# Allegro board BeagleBoard-X15_RevA2.brd (continued)
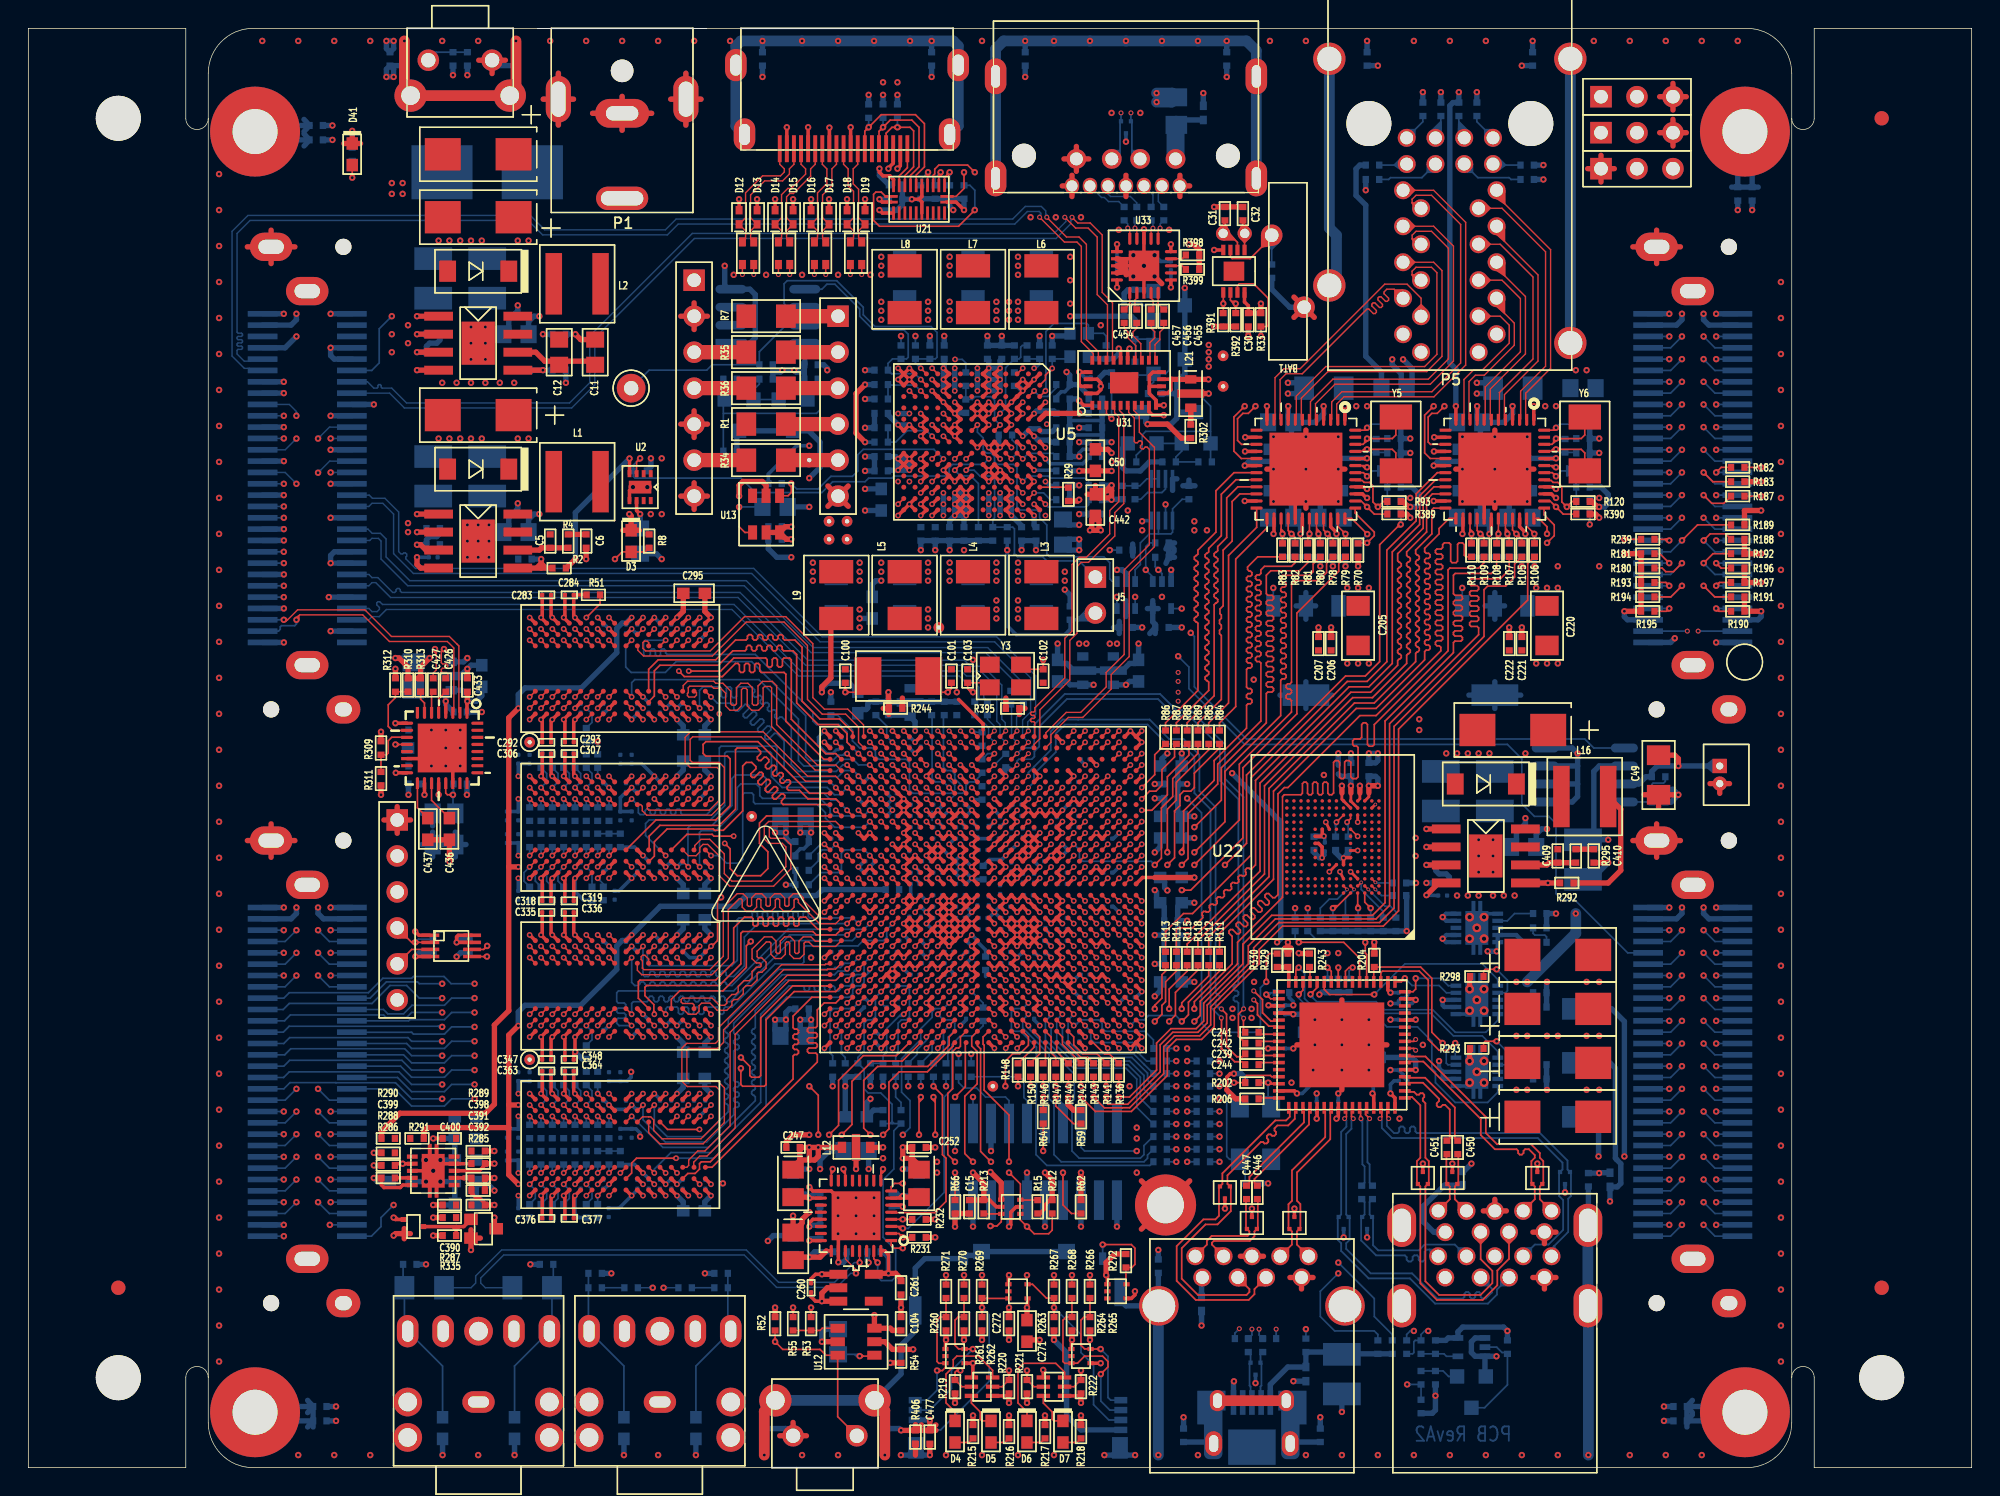
[diagram p0: board, top side]
## Nets (continued)
DDR1_DQS_ECC: R274.1 U11.V27(DDR1_DQS_ECC)
DDR1_DQSN0: U11.AG25(DDR1_DQSN0) U23.G3(LDQS#)
DDR1_DQSN1: U11.AE28(DDR1_DQSN1) U23.B7(UDQS#)
DDR1_DQSN2: U11.AD28(DDR1_DQSN2) U24.G3(LDQS#)
DDR1_DQSN3: U11.Y27(DDR1_DQSN3) U24.B7(UDQS#)
DDR1_DQSN_ECC: R273.2 U11.V28(DDR1_DQSN_ECC)
DDR1_ODT0: R360.1 U11.AE20(DDR1_ODT0) U23.K1(ODT) U24.K1(ODT)
DDR1_RASN: R372.1 U11.AF20(DDR1_RASN) U23.J3(RAS#) U24.J3(RAS#)
DDR1_RST: TP20.1 U11.AG21(DDR1_RST) U23.T2(RSTN) U24.T2(RSTN)
DDR1_WEN: R374.1 U11.AH21(DDR1_WEN) U23.L3(WE#) U24.L3(WE#)
DDR2_A0: R355.1 U11.R25(DDR2_A0) U25.N3(A0) U26.N3(A0)
DDR2_A1: R356.1 U11.R26(DDR2_A1) U25.P7(A1) U26.P7(A1)
DDR2_A2: R346.1 U11.R28(DDR2_A2) U25.P3(A2) U26.P3(A2)
DDR2_A3: R344.1 U11.R27(DDR2_A3) U25.N2(A3) U26.N2(A3)
DDR2_A4: R347.1 U11.P23(DDR2_A4) U25.P8(A4) U26.P8(A4)
DDR2_A5: R345.1 U11.P22(DDR2_A5) U25.P2(A5) U26.P2(A5)
DDR2_A6: R338.1 U11.P25(DDR2_A6) U25.R8(A6) U26.R8(A6)
DDR2_A7: R358.1 U11.N20(DDR2_A7) U25.R2(A7) U26.R2(A7)
DDR2_A8: R359.1 U11.P27(DDR2_A8) U25.T8(A8) U26.T8(A8)
DDR2_A9: R336.1 U11.N27(DDR2_A9) U25.R3(A9) U26.R3(A9)
DDR2_A10: R340.1 U11.N23(DDR2_A10) U25.L7(A10) U26.L7(A10)
DDR2_A11: R337.1 U11.P26(DDR2_A11) U25.R7(A11) U26.R7(A11)
DDR2_A12: R354.1 U11.N28(DDR2_A12) U25.N7(A12) U26.N7(A12)
DDR2_A13: R357.1 U11.T22(DDR2_A13) U25.T3(A13) U26.T3(A13)
DDR2_A14: R339.1 U11.R22(DDR2_A14) U25.T7(A14) U26.T7(A14)
DDR2_A15: R342.1 U11.U22(DDR2_A15) U25.M7(NC.M7/A15) U26.M7(NC.M7/A15)
DDR2_BA0: R350.1 U11.U23(DDR2_BA0) U25.M2(BA0) U26.M2(BA0)
DDR2_BA1: R353.1 U11.U27(DDR2_BA1) U25.N8(BA1) U26.N8(BA1)
DDR2_BA2: R352.1 U11.U26(DDR2_BA2) U25.M3(BA2) U26.M3(BA2)
DDR2_CASN: R349.1 U11.U28(DDR2_CASN) U25.K3(CAS#) U26.K3(CAS#)
DDR2_CKE: R334.1 R348.1 U11.U24(DDR2_CKE) U25.K9(CKE) U26.K9(CKE)
DDR2_CLK0: R281.1 U11.T28(DDR2_CK) U25.J7(CK) U26.J7(CK)
DDR2_CLK0N: R280.1 U11.T27(DDR2_NCK) U25.K7(CK#) U26.K7(CK#)
DDR2_CLK_TRM: C334.2 R280.2 R281.2
DDR2_CSN0: R351.1 U11.P24(DDR2_CSN0) U25.L2(CS#) U26.L2(CS#)
DDR2_D0: U11.E26(DDR2_D0) U25.D7(DQ8)
DDR2_D1: U11.G25(DDR2_D1) U25.C2(DQ11)
DDR2_D2: U11.F25(DDR2_D2) U25.A3(DQ15)
DDR2_D3: U11.F24(DDR2_D3) U25.B8(DQ14)
DDR2_D4: U11.F26(DDR2_D4) U25.A2(DQ13)
DDR2_D5: U11.F27(DDR2_D5) U25.C3(DQ9)
DDR2_D6: U11.E27(DDR2_D6) U25.A7(DQ12)
DDR2_D7: U11.E28(DDR2_D7) U25.C8(DQ10)
DDR2_D8: U11.H23(DDR2_D8) U25.E3(DQ0)
DDR2_D9: U11.H25(DDR2_D9) U25.H3(DQ4)
DDR2_D10: U11.H24(DDR2_D10) U25.H8(DQ5)
DDR2_D11: U11.H26(DDR2_D11) U25.G2(DQ6)
DDR2_D12: U11.G26(DDR2_D12) U25.H7(DQ7)
DDR2_D13: U11.J25(DDR2_D13) U25.F2(DQ2)
DDR2_D14: U11.J26(DDR2_D14) U25.F8(DQ3)
DDR2_D15: U11.J24(DDR2_D15) U25.F7(DQ1)
DDR2_D16: U11.L22(DDR2_D16) U26.D7(DQ8)
DDR2_D17: U11.K20(DDR2_D17) U26.C8(DQ10)
DDR2_D18: U11.K21(DDR2_D18) U26.A2(DQ13)
DDR2_D19: U11.L23(DDR2_D19) U26.C2(DQ11)
DDR2_D20: U11.L24(DDR2_D20) U26.C3(DQ9)
DDR2_D21: U11.J23(DDR2_D21) U26.B8(DQ14)
DDR2_D22: U11.K22(DDR2_D22) U26.A3(DQ15)
DDR2_D23: U11.J20(DDR2_D23) U26.A7(DQ12)
DDR2_D24: U11.L27(DDR2_D24) U26.E3(DQ0)
DDR2_D25: U11.L26(DDR2_D25) U26.H8(DQ5)
DDR2_D26: U11.L25(DDR2_D26) U26.H7(DQ7)
DDR2_D27: U11.L28(DDR2_D27) U26.F7(DQ1)
DDR2_D28: U11.M23(DDR2_D28) U26.F8(DQ3)
DDR2_D29: U11.M24(DDR2_D29) U26.H3(DQ4)
DDR2_D30: U11.M25(DDR2_D30) U26.F2(DQ2)
DDR2_D31: U11.M26(DDR2_D31) U26.G2(DQ6)
DDR2_DQM0: U11.F28(DDR2_DQM0) U25.D3(UDM)
DDR2_DQM1: U11.G24(DDR2_DQM1) U25.E7(LDM)
DDR2_DQM2: U11.K23(DDR2_DQM2) U26.D3(UDM)
DDR2_DQM3: U11.M22(DDR2_DQM3) U26.E7(LDM)
DDR2_DQS0: U11.G28(DDR2_DQS0) U25.C7(UDQS)
DDR2_DQS1: U11.H27(DDR2_DQS1) U25.F3(LDQS)
DDR2_DQS2: U11.K27(DDR2_DQS2) U26.C7(UDQS)
DDR2_DQS3: U11.M28(DDR2_DQS3) U26.F3(LDQS)
DDR2_DQSN0: U11.G27(DDR2_DQSN0) U25.B7(UDQS#)
DDR2_DQSN1: U11.H28(DDR2_DQSN1) U25.G3(LDQS#)
DDR2_DQSN2: U11.K28(DDR2_DQSN2) U26.B7(UDQS#)
DDR2_DQSN3: U11.M27(DDR2_DQSN3) U26.G3(LDQS#)
DDR2_ODT0: R341.1 U11.R23(DDR2_ODT0) U25.K1(ODT) U26.K1(ODT)
DDR2_RASN: R279.1 U11.T23(DDR2_RASN) U25.J3(RAS#) U26.J3(RAS#)
DDR2_RST: TP21.1 U11.R24(DDR2_RST) U25.T2(RSTN) U26.T2(RSTN)
DDR2_WEN: R343.1 U11.U25(DDR2_WEN) U25.L3(WE#) U26.L3(WE#)
DDR_REFIN: C390.1 R285.2 R287.2 U27.1(REFIN)
DDR_VREF_OFFN: Q5.1(GATE) R288.1 U11.A22(GPIO7_11) U27.7(EN)
DDR_VREFSTL1: C273.1 C275.1 C276.1 C277.1 C278.1 R290.2 U11.Y18(DDR1_VREF0) U23.H1(VREFDQ) U23.M8(VREFCA) U24.H1(VREFDQ) U24.M8(VREFCA)
DDR_VREFSTL2: C274.2 C279.1 C280.1 C281.1 C282.1 R291.2 U11.N22(DDR2_VREF0) U25.H1(VREFDQ) U25.M8(VREFCA) U26.H1(VREFDQ) U26.M8(VREFCA)
DMA_EVT1: P16.35 U11.P7(DMA_EVT1)
DMA_EVT3: P16.11 U11.N6(DMA_EVT3)
DMA_EVT4: P16.17 U11.M4(DMA_EVT4)
E0_AVDDL: C210.1 C211.1 FB2.2 U14.4(AVDDL2) U14.9(AVDDL1)
E0_DVDDL: C212.1 C213.2 FB4.2 U14.14(DVDDL1) U14.18(DVDDL5) U14.23(DVDDL4) U14.26(DVDDL6) U14.30(DVDDL2) U14.39(DVDDL3)
E0_GRN: P5.D5 R90.1 U14.17(LED1 / PME_N1)
E0_ISET: R92.2 U14.48(ISET)
E0_PLL: C208.1 C209.2 FB1.2 U14.44(AVDDL_PLL)
E0_RST: C219.1 R95.2 R96.2 R316.2 U14.42(RESET_N)
E0_XI: C217.2 R94.2 U14.46(XI) Y5.2(NC0)
E0_XO: C218.2 R94.1 U14.45(XO) Y5.1
E0_YEL: P5.D7 R91.1 U14.15(LED2)
E1_AVDDL: C225.2 C226.1 FB6.2 U15.4(AVDDL2) U15.9(AVDDL1)
E1_DVDDL: C227.1 C228.2 FB8.2 U15.14(DVDDL1) U15.18(DVDDL5) U15.23(DVDDL4) U15.26(DVDDL6) U15.30(DVDDL2) U15.39(DVDDL3)
E1_GRN: P5.D1 R116.1 U15.17(LED1 / PME_N1)
E1_ISET: R119.2 U15.48(ISET)
E1_PLL: C223.1 C224.2 FB5.2 U15.44(AVDDL_PLL)
E1_RSTN: C234.1 R122.2 R123.2 R317.2 U15.42(RESET_N)
E1_XI: C232.2 R121.2 U15.46(XI) Y6.2(NC0)
E1_XO: C233.2 R121.1 U15.45(XO) Y6.1
E1_YEL: P5.D3 R117.1 U15.15(LED2)
EEWP: R37.1 TP4.1(TP) U8.7(WP)
EHRPWM2_TRIPZONE_INPUT: P18.6 U11.F6(EHRPWM2_TRIPZONE_INPUT)
EHRPWM2A: P17.5 U11.AC5(EHRPWM2A)
EHRPWM2B: P18.44 U11.D3(EHRPWM2B)
EMAC(0)_RXD0: R80.1 U11.W2(EMAC(0)_RXD0)
EMAC(0)_RXD1: R81.1 U11.Y2(EMAC(0)_RXD1)
EMAC(0)_RXD2: R82.1 U11.V3(EMAC(0)_RXD2)
EMAC(0)_RXD3: R83.1 U11.V4(EMAC(0)_RXD3)
EMAC(1)_RXD0: R107.1 U11.A4(EMAC(1)_RXD0)
EMAC(1)_RXD1: R108.1 U11.B5(EMAC(1)_RXD1)
EMAC(1)_RXD2: R109.1 U11.B4(EMAC(1)_RXD2)
EMAC(1)_RXD3: R110.1 U11.B3(EMAC(1)_RXD3)
EMAC[0]_RXC: R79.1 U11.U5(EMAC(0)_RXC)
EMAC[0]_RXCTL: R78.1 U11.V5(EMAC(0)_RXCTL)
EMAC[0]_TXC: R85.1 U11.W9(EMAC(0)_TXC)
EMAC[0]_TXCTL: R84.1 U11.V9(EMAC(0)_TXCTL)
EMAC[0]_TXD0: R86.1 U11.U6(EMAC(0)_TXD0)
EMAC[0]_TXD1: R87.1 U11.V6(EMAC(0)_TXD1)
EMAC[0]_TXD2: R88.1 U11.U7(EMAC(0)_TXD2)
EMAC[0]_TXD3: R89.1 U11.V7(EMAC(0)_TXD3)
EMAC[1]_RXC: R106.1 U11.C5(EMAC(1)_RXC)
EMAC[1]_RXCTL: R105.1 U11.A3(EMAC(1)_RXCTL)
EMAC[1]_TXC: R112.1 U11.D5(EMAC(1)_TXC)
EMAC[1]_TXCTL: R111.1 U11.C2(EMAC(1)_TXCTL)
EMAC[1]_TXD0: R113.1 U11.D6(EMAC(1)_TXD0)
EMAC[1]_TXD1: R114.1 U11.B2(EMAC(1)_TXD1)
EMAC[1]_TXD2: R115.1 U11.C4(EMAC(1)_TXD2)
EMAC[1]_TXD3: R118.1 U11.C3(EMAC(1)_TXD3)
EMMC_VDD1.1: C270.2 U22.C2(VCCI)
EMU0: P4.13(EMU0) R59.2 U11.G21(EMU0)
EMU1: P4.14(EMU1) R62.2 U11.D24(EMU1)
EMU_RSTN: P4.15(SRST) R44.2 U10.2(A)
ENET0_INTN: R389.2 U11.D26(GPIO7_27) U14.38(INT_N / PME_N2)
ENET1_INTN: R390.2 U11.D28(GPIO7_26) U15.38(INT_N / PME_N2)
ENET_PORZ: R39.2 R40.2 R96.1 R123.1
ESATA_R+: C420.1 P6.10(B+)
ESATA_R-: C418.1 P6.9(B-)
ESATA_T+: C416.2 P6.6(A+)
ESATA_T-: C417.1 P6.7(A-)
ETH0_1.2V: C206.1 C207.1 FB1.1 FB2.1 FB4.1 Q1.2(D1) Q1.4(D2)
ETH0_3V3: C205.1 C214.1 FB3.2 Q1.3(S) R70.1 R71.1 R74.1 R75.1 R76.1 R77.1 R90.2 R93.2 R95.1 U14.1(AVDDH1) U14.12(AVDDH2) U14.16(DVDDH5) U14.34(DVDDH3) U14.40(DVDDH4)
ETH0_LDO: Q1.1(G) U14.43(LDO_O)
ETH1_1.2V: C221.1 C222.2 FB5.1 FB6.1 FB8.1 Q2.2(D1) Q2.4(D2)
ETH1_3V3: C220.1 C229.1 FB7.2 Q2.3(S) R99.1 R101.1 R102.1 R103.1 R104.1 R117.2 R120.2 R122.1 U15.1(AVDDH1) U15.12(AVDDH2) U15.16(DVDDH5) U15.34(DVDDH3) U15.40(DVDDH4)
ETH1_LDO: Q2.1(G) U15.43(LDO_O)
ETH_RESETN: R316.1 R317.1 U11.U3(GPIO3_17)
EXP_SATA_RXN: P19.7 U31.22(B1-)
EXP_SATA_RXP: P19.8 U31.21(B1+)
EXP_SATA_TXN: P19.36 U31.23(B0-)
EXP_SATA_TXP: P19.35 U31.24(B0+)
EXT_WAKE: P18.35 R33.2 R49.1 U6.7(MFP) U11.AC16(WAKEUP3)
GPIO2_2: P16.46 U11.P4(GPIO2_2)
GPIO2_3: P16.7 U11.R3(GPIO2_3)
GPIO2_4: P16.40 U11.T2(GPIO2_4)
GPIO2_5: P16.38 U11.U2(GPIO2_5)
GPIO2_6: P16.39 U11.U1(GPIO2_6)
GPIO2_8: P16.8 U11.R2(GPIO2_8)
GPIO2_17: P16.48 U11.P3(GPIO2_17)
GPIO2_19: P16.41 U11.T1(GPIO2_19)
GPIO2_20: P16.49 U11.P2(GPIO2_20)
GPIO2_23: P16.21 U11.N1(GPIO2_23)
GPIO2_24: P16.47 U11.M5(GPIO2_24)
GPIO2_25: P16.19 U11.M3(GPIO2_25)
GPIO2_28: P16.20 U11.N2(GPIO2_28)
GPIO2_31: P19.55 U11.AH7(GPIO2_31)
GPIO3_6: P19.56 U11.AG7(GPIO3_6)
GPIO3_7: P19.52 U11.AH6(GPIO3_7)
GPIO3_8: P19.45 U11.AH3(GPIO3_8)
GPIO3_9: P19.48 U11.AH5(GPIO3_9)
GPIO3_10: P19.53 U11.AG6(GPIO3_10)
GPIO3_11: P19.14 U11.AH4(GPIO3_11)
GPIO3_12: P19.15 U11.AG4(GPIO3_12)
GPIO3_14: P19.46 U11.AG3(GPIO3_14)
GPIO3_15: P19.49 U11.AG5(GPIO3_15)
GPIO3_16: P19.42 U11.AF2(GPIO3_16)
GPIO3_18: P19.43 U11.AF3(GPIO3_18)
GPIO3_20: P19.11 U11.AF1(GPIO3_20)
GPIO3_23: P19.39 U11.AE1(GPIO3_23)
GPIO3_24: P19.12 U11.AE2(GPIO3_24)
GPIO3_26: P19.40 U11.AD2(GPIO3_26)
GPIO3_28: P18.11 U11.E1(GPIO3_28)
GPIO3_29: P18.9 U11.G2(GPIO3_29)
GPIO3_30: P18.36 U11.H7(GPIO3_30)
GPIO4_7: P18.43 U11.C1(GPIO4_7)
GPIO4_8: P18.39 U11.E4(GPIO4_8)
GPIO4_9: P18.38 U11.F5(GPIO4_9)
GPIO4_10: P18.7 U11.E6(GPIO4_10)
GPIO4_17: P16.3 U11.A12(GPIO4_17)
GPIO5_4: P17.47 U11.G13(GPIO5_4)
GPIO5_5: P17.17 U11.J11(GPIO5_5)
GPIO5_6: P17.45 U11.E12(GPIO5_6)
GPIO5_7: P17.15 U11.F13(GPIO5_7)
GPIO5_8: P17.55 U11.C12(GPIO5_8)
GPIO5_9: P17.25 U11.D12(GPIO5_9)
GPIO5_10: P16.34 U11.B12(GPIO5_10)
GPIO5_11: P16.4 U11.A11(GPIO5_11)
GPIO5_12: P16.33 U11.B13(GPIO5_12)
GPIO5_18: P18.59 U11.V2(UART3_RXD)
GPIO5_19: P18.29 U11.Y1(UART3_TXD)
GPIO6_11: P17.3 U11.AB4(GPIO6_11)
GPIO6_18: P17.58 U11.E17(GPIO6_18)
GPIO6_19: P17.28 U11.B26(GPIO6_19)
GPIO7_7: P17.51 U11.A25(GPIO7_7)
GRSTZ: C246.1 U17.50(GRSTZ)
HDMI1_DDC_SCL: R246.2 U11.C25(HDMI1_DDC_SCL) U21.1(SCL_A)
HDMI1_DDC_SDA: R245.2 U11.F17(HDMI1_DDC_SDA) U21.2(SDA_A)
HDMI_5VOUT: C265.1 P11.18(+5V) U21.12(5V_OUT)
HDMI_CEC_A: U11.B20(HDMI_CEC) U21.24(CEC_A)
HDMI_CEC_B: P11.13(CE REMOTE) R237.2 U21.6(CEC_B)
HDMI_CT_HPD: R248.2 U11.A24(GPIO7_10) U21.11(CT_HPD)
HDMI_HPD_A: U11.B21(HDMI_HPD) U21.3(HPD_A)
HDMI_HPD_B: P11.19(HP DET) U21.9(HPD_B)
HDMI_LS_OE: R247.2 U11.Y9(GPIO6_28) U21.4(LS_OE)
HDMI_SCL_B: P11.15(DDC CLK) R241.2 U21.7(SCL_B)
HDMI_SDA_B: P11.16(DDC DATA) R242.1 U21.8(SDA_B)
HDMI_TX0+: D16.1(I) FL3.3 P11.7(D0+)
HDMI_TX0-: D17.1(I) FL3.2 P11.9(D0-)
HDMI_TX1+: D14.1(I) FL2.3 P11.4(D1+)
HDMI_TX1-: D15.1(I) FL2.2 P11.6(D1-)
HDMI_TX2+: D12.1(I) FL1.3 P11.1(D2+)
HDMI_TX2-: D13.1(I) FL1.2 P11.3(D2-)
HDMI_TXC+: D18.1(I) FL4.3 P11.10(CK+)
HDMI_TXC-: D19.1(I) FL4.2 P11.12(CK-)
HUB_XI: C235.1 R202.1 U17.62(XI) Y7.1
HUB_XO: C240.1 R202.2 U17.61(XO) Y7.2
I2C1_SCL: R17.2 R19.1 R212.2 U4.1(SCL) U5.L1(I2C1_SCL_SCK) U8.6(SCL) U11.C20(I2C1_SCL) U18.8(SCL)
I2C1_SDA: R16.2 R18.1 R213.2 U4.6(SDA) U5.L2(I2C1_SDA_SDI) U8.5(SDA) U11.C21(I2C1_SDA) U18.9(SDA)
I2C3_SCL: R392.2 R393.1 U6.6(SCL) U11.D14(I2C3_SCL)
I2C3_SDA: R391.2 R394.1 U6.5(SDA) U11.C14(I2C3_SDA)
I2C4_SCL: P17.46 U11.J14(I2C4_SCL)
I2C4_SDA: P17.53 U11.B14(I2C4_SDA)
I2C5_SCL: P18.4 U11.F12(I2C5_SCL)
I2C5_SDA: P18.3 U11.G12(I2C5_SDA)
J3-D6: P5.D6 R69.1
J3-D8: P5.D8 R68.1
J3_D2: P5.D2 R98.1
J3_D4: P5.D4 R97.1
LDO_VRTC: C19.2 C110.1 J5.2 R20.2 R23.1 R56.1 R214.2 U5.A8(LDOVRTC_OUT) U11.AB13(VDDA_RTC)
LEDAA: D4.2(A) R215.2
LEDAC: D4.1(C) Q3.6(3)
LEDBA: D5.2(A) R216.2
LEDBC: D5.1(C) Q3.3
LEDCA: D6.2(A) R217.2
LEDCC: D6.1(C) Q4.6(3)
LEDDA: D7.2(A) R218.2
LEDDC: D7.1(C) Q4.3
LEFT_IN: C255.2 D10.2 P9.2 R235.1
LEFT_OUT: C250.2 D8.2 P8.2 R226.1
MCASP2_ACLKR: P17.44 U11.E15(MCASP2_ACLKR)
MCASP2_AXR0: P17.54 U11.B15(MCASP2_AXR0)
MCASP2_AXR1: P17.23 U11.A15(MCASP2_AXR1)
MCASP2_AXR2: P17.18 U11.C15(MCASP2_AXR2)
MCASP2_AXR3: P17.22 U11.A16(MCASP2_AXR3)
MCASP2_AXR4: P17.16 U11.D15(MCASP2_AXR4)
MCASP2_AXR5: P17.24 U11.B16(MCASP2_AXR5)
MCASP2_AXR6: P17.26 U11.B17(MCASP2_AXR6)
MCASP2_AXR7: P17.56 U11.A17(MCASP2_AXR7)
MCASP2_CLKX: P17.21 U11.A19(MCASP2_ACLKX)
MCASP2_FSR: P17.57 U11.A20(MCASP2_FSR)
MCASP2_FSX: P17.52 U11.A18(MCASP2_FSX)
MCASP7_AXR0: P16.5 U11.E14(MCASP7_AXR0)
MCASP7_AXR1: P17.49 U11.A13(MCASP7_AXR1)
MCASP7_CLKX: P17.48 U11.G14(MCASP7_CLKX)
MCASP7_FSX: P17.19 U11.F14(MCASP7_FSX)
MDIO_CLK: R71.2 U11.V1(MDIO_MCLK) U14.36(MDC) U15.36(MDC)
MDIO_DATA: R70.2 U11.U4(MDIO_DATA) U14.37(MDIO) U15.37(MDIO)
MMC1_CLK: R269.1 U11.W6(MMC1_CLK)
MMC1_CMD: R267.1 U11.Y6(MMC1_CMD)
MMC1_DAT0: R270.1 U11.AA6(MMC1_DAT0)
MMC1_DAT1: R271.1 U11.Y4(MMC1_DAT1)
MMC1_DAT2: R266.1 U11.AA5(MMC1_DAT2)
MMC1_DAT3: R268.1 U11.Y3(MMC1_DAT3)
MMC1_SD_CD: D23.5(IO2) P12.10(CD) R272.2 U11.W7(MMC1_SDCD)
MMC2_3V3: C266.1 C267.2 R249.1 R250.2 R251.2 R252.2 R253.2 R254.2 R255.2 R256.2 R257.2 R258.2 R259.2 U22.E6(VCC3) U22.F5(VCC2) U22.J10(VCC0) U22.K9(VCC1) U22.P3(VCCQ1)
MMC2_CLK: R250.1 U11.J7(MMC2_CLK) U22.M6(CLK)
MMC2_CMD: R251.1 U11.H6(MMC2_CMD) U22.M5(CMD)
MMC2_DAT0: R252.1 U11.J4(MMC2_DAT0) U22.A3(DAT0)
MMC2_DAT1: R253.1 U11.J6(MMC2_DAT1) U22.A4(DAT1)
MMC2_DAT2: R254.1 U11.H4(MMC2_DAT2) U22.A5(DAT2)
MMC2_DAT3: R255.1 U11.H5(MMC2_DAT3) U22.B2(DAT3)
MMC2_DAT4: R256.1 U11.K7(MMC2_DAT4) U22.B3(DAT4)
MMC2_DAT5: R257.1 U11.M7(MMC2_DAT5) U22.B4(DAT5)
MMC2_DAT6: R258.1 U11.J5(MMC2_DAT6) U22.B5(DAT6)
MMC2_DAT7: R259.1 U11.K6(MMC2_DAT7) U22.B6(DAT7)
MMC3_CLK: P17.34 U11.AD4(MMC3_CLK)
MMC3_CMD: P17.4 U11.AC4(MMC3_CMD)
MMC3_DAT0: P17.7 U11.AC7(MMC3_DAT0)
MMC3_DAT1: P17.36 U11.AC6(MMC3_DAT1)
MMC3_DAT2: P17.8 U11.AC9(MMC3_DAT2)
MMC3_DAT3: P17.33 U11.AC3(MMC3_DAT3)
MMC3_DAT4: P17.37 U11.AC8(MMC3_DAT4)
MMC3_DAT5: P17.35 U11.AD6(MMC3_DAT5)
MMC3_DAT6: P17.38 U11.AB8(MMC3_DAT6)
MMC3_DAT7: P17.6 U11.AB5(MMC3_DAT7)
OC0: U17.46(OVERCUR1Z) U29.10(F\A\U\L\T\1\)
OC1: U17.47(OVERCUR2Z) U29.6(F\A\U\L\T\2\)
OC2: U17.44(OVERCUR3Z) U30.10(F\A\U\L\T\1\)
OC3: U17.43(OVERCUR0Z) U30.6(F\A\U\L\T\2\)
OSC0_XI: C101.1 U11.AE15(XI_OSC0) Y2.1
OSC0_XO: C100.1 U11.AD15(X0_OSC0) Y2.2(NC0)
OSC1_XI: C103.1 U11.AC15(XI_OSC1) Y3.1
OSC1_XO: C102.1 U11.AC13(XO_OSC1) Y3.3
P0_TRD[0]N: P5.12 U14.3(TXRXM_A)
P0_TRD[0]P: P5.11 U14.2(TXRXP_A)
P0_TRD[1]N: P5.14 U14.6(TXRXM_B)
P0_TRD[1]P: P5.13 U14.5(TXRXP_B)
P0_TRD[2]N: P5.16 U14.8(TXRXM_C)
P0_TRD[2]P: P5.15 U14.7(TXRXP_C)
P0_TRD[3]N: P5.18 U14.11(TXRXM_D)
P0_TRD[3]P: P5.17 U14.10(TXRXP_D)
P1_TRD[0]N: P5.2 U15.3(TXRXM_A)
P1_TRD[0]P: P5.1 U15.2(TXRXP_A)
P1_TRD[1]N: P5.4 U15.6(TXRXM_B)
P1_TRD[1]P: P5.3 U15.5(TXRXP_B)
P1_TRD[2]N: P5.6 U15.8(TXRXM_C)
P1_TRD[2]P: P5.5 U15.7(TXRXP_C)
P1_TRD[3]N: P5.8 U15.11(TXRXM_D)
P1_TRD[3]P: P5.7 U15.10(TXRXP_D)
PCI_CONN_REFN: P19.58 U7.2(OUT1N)
PCI_CONN_REFP: P19.59 U7.3(OUT1P)
PCIE_TXN0: C423.1 U11.AG14(PCIE_TXN0)
PCIE_TXN1: C425.1 U11.AG12(PCIE_TXN1)
PCIE_TXP0: C422.1 U11.AH14(PCIE_TXP0)
PCIE_TXP1: C424.1 U11.AH12(PCIE_TXP1)
PMIC_BOOT0: R20.1 R21.1 U5.L3(BOOT0)
PMIC_BOOT1: R22.1 R214.1 U5.K7(BOOT1)
PMIC_GPIO_0: R421.1 U5.B12(GPIO_0)
PMIC_GPIO_3: R26.1 U5.H9(GPIO_3)
PMIC_GPIO_5: R27.1 U5.C10(GPIO_5/CLK32KGO)
PMIC_INT: R48.2 U5.K1(INT) U11.AD17(WAKEUP0)
PMIC_OFF: R45.2 R322.1 U11.Y11(ON_OFF)
PMIC_POWERGOOD: TP5.1 U5.J7(POWERGOOD)
PMIC_POWERHOLD: J5.1 R23.2 R28.2 U5.G9(GPIO_7/POWERHOLD)
PMIC_RESET_IN: R56.2 U5.K9(RESET_IN) U13.1(R\E\S\E\T)
PMIC_RESET_OUT: U5.G6(RESET_OUT) U9.1(A)
PMIC_SCE: R19.2 U5.M3(I2C2_SCL_SCE)
PMIC_SDO: R18.2 U5.H8(I2C2_SDA_SDO)
PMIC_VBUS_DET: R414.2 U5.C13(GPIO_1/VBUSDET)
PMIC_XTAL_IN: C452.1 U5.A3(OSC16MIN) Y9.3
PMIC_XTAL_OUT: C453.1 U5.A2(OSC16MOUT) Y9.1
POR_CT: C109.1 U12.4(CT)
PORZ: C95.2 C96.2 R39.1 R57.1 U9.4(Y) U11.AB17(RTC_PORZ) U11.F22(PORZ)
PR1_UART0_CTSN: P18.40 U11.G1(PR1_UART0_CTSN)
PR1_UART0_RTSN: P18.37 U11.G6(PR1_UART0_RTSN)
PR1_UART0_RXD: P18.41 U11.F2(PR1_UART0_RXD)
PR1_UART0_TXD: P18.10 U11.F3(PR1_UART0_TXD)
PS_3V3: C23.1 C26.2 C27.2 C33.1 C35.1 C37.1 C39.1 C41.1 C43.1 C45.1 C46.1 C48.1 C111.1 C442.1 P3.1 R7.2 R10.2 R13.1 R29.1 R30.1 R58.1 R335.1 R407.1 U2.1(VIN.1) U2.2(VIN.2) U5.C4(LDO9_IN) U5.C5(LDOLN_IN) U5.C7(VCC1) U5.D11(SMPS1_IN_1) U5.D12(SMPS1_IN_2) U5.D13(SMPS1_IN_3) U5.E1(SMPS7_IN_B1_1) U5.E2(SMPS7_IN_B1_2) U5.E3(SMPS7_IN_B1_3) U5.F1(SMPS4_IN_1) U5.F2(SMPS4_IN_2) U5.F3(SMPS4_IN_3) U5.G11(SMPS2_IN_1) U5.G12(SMPS2_IN_2) U5.G13(SMPS2_IN_3) U5.H11(SMPS3_IN_1) U5.H12(SMPS3_IN_2) U5.H13(SMPS3_IN_3) U5.J1(SMPS5_IN_1) U5.J2(SMPS5_IN_2) U5.J3(SMPS5_IN_3) U5.L12(LDO34_IN) U5.L13(LDO34_IN_1) U5.M6(SMPS6_IN) U5.M8(SMPS9_IN) U5.M9(SMPS8_IN) U5.N6(SMPS6_IN_1) U5.N8(SMPS9_IN_1) U5.N9(SMPS8_IN_1) U13.5(SENSE1) U13.6(VDD)
PS_3V3_COMP: C11.1 C12.1 U3.6(COMP)
PS_3V3_EN: R9.2 R11.1 U3.3(EN)
PS_3V3_SNS: R13.2 R14.2 U3.5(VSNS)
PS_3V3_SS: C13.1 U3.4(SS)
PS_3V3_TAP: C8.1 C9.1 L2.2 P2.2 R7.1
PUSB_RXN0: C242.1 U11.AF12(USB_RXN0)
PUSB_RXP0: C241.1 U11.AE12(USB_RXP0)
PUSB_TXN0: C244.1 U11.AC11(USB_TXN0)
PUSB_TXP0: C239.1 U11.AD11(USB_TXP0)
PWRON: C478.1 P18.5 R407.2 S1.2(AA) U5.G8(PWRON)
R_3V3LED: D3.2(A) R8.2
R_12VLED: D41.2(A) R240.2
R_EMAC[0]_RXC: R72.2 R79.2 U14.35(RX_CLK)
R_EMAC[0]_RXCTL: R73.2 R78.2 U14.33(RX_DV)
R_EMAC[0]_RXD0: R74.2 R80.2 U14.32(RXD0)
R_EMAC[0]_RXD1: R75.2 R81.2 U14.31(RXD1)
R_EMAC[0]_RXD2: R76.2 R82.2 U14.28(RXD2)
R_EMAC[0]_RXD3: R77.2 R83.2 U14.27(RXD3)
R_EMAC[0]_TXC: R85.2 U14.24(GTX_CLK)
R_EMAC[0]_TXCTL: R84.2 U14.25(TX_EN)
R_EMAC[0]_TXD0: R86.2 U14.19(TXD0)
R_EMAC[0]_TXD1: R87.2 U14.20(TXD1)
R_EMAC[0]_TXD2: R88.2 U14.21(TXD2)
R_EMAC[0]_TXD3: R89.2 U14.22(TXD3)
R_EMAC[1]_RXC: R100.2 R106.2 U15.35(RX_CLK)
R_EMAC[1]_RXCTL: R99.2 R105.2 U15.33(RX_DV)
R_EMAC[1]_RXD0: R101.2 R107.2 U15.32(RXD0)
R_EMAC[1]_RXD1: R102.2 R108.2 U15.31(RXD1)
R_EMAC[1]_RXD2: R103.2 R109.2 U15.28(RXD2)
R_EMAC[1]_RXD3: R104.2 R110.2 U15.27(RXD3)
R_EMAC[1]_TXC: R112.2 U15.24(GTX_CLK)
R_EMAC[1]_TXCTL: R111.2 U15.25(TX_EN)
R_EMAC[1]_TXD0: R113.2 U15.19(TXD0)
R_EMAC[1]_TXD1: R114.2 U15.20(TXD1)
R_EMAC[1]_TXD2: R115.2 U15.21(TXD2)
R_EMAC[1]_TXD3: R118.2 U15.22(TXD3)
RDRXN: C456.2 U33.4(TX2N)
RDRXP: C455.2 U33.5(TX2P)
RDTXN: C457.2 U33.2(RX1N)
RDTXP: C454.1 U33.1(RX1P)
RESETIN: P18.34 R52.2 S2.2(AA) U12.3(M\R\)
RHDMI_TX0+: FL3.4 U11.AH17(HDMI1_DATA0Y)
RHDMI_TX0-: FL3.1 U11.AG17(HDMI1_DATA0X)
RHDMI_TX1+: FL2.4 U11.AH18(HDMI1_DATA1Y)
RHDMI_TX1-: FL2.1 U11.AG18(HDMI1_DATA1X)
RHDMI_TX2+: FL1.4 U11.AH19(HDMI1_DATA2Y)
RHDMI_TX2-: FL1.1 U11.AG19(HDMI1_DATA2X)
RHDMI_TXC+: FL4.4 U11.AH16(HDMI1_CLOCKY)
RHDMI_TXC-: FL4.1 U11.AG16(HDMI1_CLOCKX)
RIGHT_IN: C256.2 D11.2 P9.3 R234.1
RIGHT_OUT: C251.2 D9.2 P8.3 R228.1
RSTOUTN: P18.33 R38.1 R40.1 R43.1 R318.1 U7.12(RSTN) U11.F23(RSTOUTN) U18.31(RESETN) U22.K5(R\S\T\) U34.2(2B)
RTC_ISO: R57.2 U11.AF14(RTC_ISO)
RTC_X1: C32.1 U6.1(X1) Y1.2
RTC_X2: C31.1 U6.2(X2) Y1.1
RTCK: P4.9(TCKRTN) R63.2
RTCKR: R63.1 U11.E18(RTCK)
RXN_MUXC: C456.1 U31.16(C1-)
RXP_MUXC: C455.1 U31.15(C1+)
SAT_RXN: U11.AH9(SATA1_RXN0) U31.6(A1-)
SAT_RXP: U11.AG9(SATA1_RXP0) U31.7(A1+)
SAT_TXN: U11.AG10(SATA1_TXN0) U31.5(A0-)
SAT_TXP: U11.AH10(SATA1_TXP0) U31.4(A0+)
SATA_SEL: P19.6 R303.2 U31.3(SEL)
SCL_HUB: R393.2 U17.38(SCL_SMBCLK)
SDA_HUB: R394.2 U17.37(SDA_SMBDAT)
SERDES_CLKN: C426.2 R308.1 U11.AH15(LJCB_CLKN)
SERDES_CLKP: C427.2 R308.2 U11.AG15(LJCB_CLKP)
SERDES_IN_REFN: C426.1 U7.5(OUT0N)
SERDES_IN_REFP: C427.1 U7.6(OUT0P)
SMPS6: C44.1 L8.2 P2.4 R36.1
SMPS_1_2: C34.1 C36.1 L3.2 L4.2 P2.6 R34.1
SMPS_4/5: C40.1 C42.1 L6.2 L7.2 P2.3 R35.1
SS_SUSPEND: R243.2 U17.45(HS_SUSPEND)
SW1: L3.1 U5.E11(SMPS1_SW_1) U5.E12(SMPS1_SW_2) U5.E13(SMPS1_SW_3)
SW2: L4.1 U5.F11(SMPS2_SW_1) U5.F12(SMPS2_SW_2) U5.F13(SMPS2_SW_3)
SW3: L5.1 U5.J11(SMPS3_SW_1) U5.J12(SMPS3_SW_2) U5.J13(SMPS3_SW_3)
SW4: L6.1 U5.G1(SMPS4_SW_1) U5.G2(SMPS4_SW_2) U5.G3(SMPS4_SW_3)
SW5: L7.1 U5.H1(SMPS5_SW_1) U5.H2(SMPS5_SW_2) U5.H3(SMPS5_SW_3)
SW6: L8.1 U5.M5(SMPS6_SW_1) U5.N5(SMPS6_SW)
SW9: L9.1 U5.M10(SMPS8_SW) U5.N10(SMPS8_SW_1)
TCK: R64.1 U11.E20(TCLK)
TCLK: P4.11(TCLK) R64.2
TDI: P4.3(TDI) U11.D23(TDI)
TDO: P4.7(TDO) R61.2
TDOR: R61.1 U11.F19(TDO)
TESTV: TP9.1 U5.N12(VPROG/TESTV)
TIMER1: P17.42 U11.E21(TIMER1)
TIMER2: P17.13 U11.F20(TIMER2)
TIMER3: P17.12 U11.F21(TIMER3)
TMP102_ALERT: R15.2 U4.3(ALERT) U11.G17(GPIO7_16)
TMS: P4.1(TMS) U11.F18(TMS)
TPS_ENABLE1: TP7.1 U5.J5(ENABLE1)
TPS_PWRDOWN: TP8.1 U5.K8(PWRDOWN)
TPS_RST: R53.1 R55.2 U12.1(R\E\S\E\T)
TRSTN: P4.2(TRSTN) R66.1 U11.D20(TRSTN)
TX1+: C449.2 D29.1(D+) P15.9(TX0+)
TX1-: C448.2 D29.2(D-) P15.8(TX0-)
TX2+: C451.2 D31.1(D+) P15.18(TX1+)
TX2-: C450.2 D31.2(D-) P15.17(TX1-)
TX+: C447.2 D26.1(D+) P13.9(TX+)
TX-: C446.2 D26.2(D-) P13.8(TX-)
TXN_MUXC: C457.1 U31.17(C0-)
TXP_MUXC: C454.2 U31.18(C0+)
U1-1: C1.2 U1.1(BOOT)
U1-3: R3.2 R6.1 U1.3(EN)
U1-4: C4.1 U1.4(SS)
U1-8: C1.1 D1.1(CATHODE) L1.1 U1.8(PH)
U2-6: C10.1 U2.6(CT)
U3-1: C7.2 U3.1(BOOT)
U3-8: C7.1 D2.1(CATHODE) L2.1 U3.8(PH)
U5_C8: C25.2 U5.C8(LDOVANA_OUT)
U13-4: C112.1 U13.4(CT)
U14_41: R93.1 U14.41(CLK125_NDO)
U15_41: R120.1 U15.41(CLK125_NDO)
U16_FB: R201.2 R203.1 U16.8(FB)
U17_A17: R207.2 U17.40(FULLPWRMGMTZ_SMBA1)
U17_A41: R209.2 U17.42(GANGED/SMBA2/HS_UP)
U28_1: C401.2 U28.1(BOOT)
U28_3: R294.2 R297.1 U28.3(EN)
U28_4: C408.1 U28.4(SS)
U28_6: C409.2 R295.1 U28.6(COMP)
U28_8: C401.1 D24.1(CATHODE) L16.1 U28.8(PH)
U28_RC: C410.1 R295.2
U29_7: R293.2 U29.7(ILIM)
U30_7: R298.1 U30.7(ILIM)
U31_1V8: C421.1 L21.1 R303.1 U31.9(VDD1) U31.11(VDD2) U31.13(VDD3) U31.19(VDD4) U31.26(VDD5) U31.28(VDD6)
U31_VDD: L21.3 R302.1
U32_ADJ: C443.1 R396.2 R397.1 U32.4(ADJ)
UART1_RXD: P18.60 U11.C26(UART1_TXD)
UART1_TXD: P18.30 U11.B27(UART1_RXD)
UART3_RXD: U11.D27(GPIO1_16) U20.6(1Y)
UART3_TXD: U11.C28(GPIO1_17) U20.5(2A)
UART8_CTSN: P17.11 U11.G16(UART8_CTSN)
UART8_RTSN: P17.14 U11.D17(UART8_RTSN)
UART8_RXD: P17.43 U11.C18(UART8_RXD)
UART8_TXD: P17.27 U11.A21(UART8_TXD)
UART9_CTSN: P17.40 U11.AB3(UART9_CTSN)
UART9_RTSN: P17.39 U11.AA4(UART9_RTSN)
UART9_RXD: P17.10 U11.AA3(UART9_RXD)
UART9_TXD: P17.9 U11.AB9(UART9_TXD)
UART10_CTSN: P18.13 U11.D2(UART10_CTSN)
UART10_RTSN: P18.8 U11.F4(UART10_RTSN)
UART10_RXD: P18.12 U11.D1(UART10_RXD)
UART10_TXD: P18.42 U11.E2(UART10_TXD)
USB1_DM: U11.AC12(USB1_DM) U17.54(USB_DM_UP)
USB1_DP: U11.AD12(USB1_DP) U17.53(USB_DP_UP)
USB1_DRVBUS_R: R330.1 U11.AB10(USB1_DRVVBUS)
USB1_DRVVBUS: R329.2 R330.2 U17.48(USB_VBUS)
USB1_ID: R205.1 U11.C27(GPIO7_25)
USB1V: C404.1 C405.1 L18.1 U29.9(OUT1)
USB1VBUS: D35.1(IO) L18.2 P13.1(USBVDD)
USB2_5V: C479.1 D42.1(IO) P7.1(VB) R31.1 R320.1 R412.1
USB2_DM: R211.1 R315.1 U11.AF11(USB2_DM)
USB2_DMEX: P16.29 R315.2
USB2_DP: R210.1 R314.1 U11.AE11(USB2_DP)
USB2_DPEX: P16.59 R314.2
USB2_DRVBUS: P17.59 U11.AC10(USB2_DRVVBUS)
USB2_ID: P17.30 R321.2 U11.E25(GPIO7_24)
USB2_OC: P17.29 U11.B24(GPIO7_17)
USB2_VBUS: R411.1 R412.2 U5.D8(VBUS)
USB2V: C406.1 C407.1 L17.1 U29.8(OUT2)
USB2VBUS: D34.1(IO) L17.2 P15.1(VBUS0)
USB2VBUS_EXP: P17.60 R320.2
USB3V: C411.1 C412.1 L19.1 U30.9(OUT1)
USB3VBUS: D36.1(IO) L19.2 P15.10(VBUS1)
USB4V: C413.1 C414.1 L20.1 U30.8(OUT2)
USB4VBUS: D37.1(IO) L20.2 P6.1(VBUS0)
USB_5V: C403.1 L16.2 R292.1 U29.2(IN1) U29.3(IN2) U30.2(IN1) U30.3(IN2)
USB_DM0: D27.1(D+) P13.2(D-) U17.2(USB_DM_DN1)
USB_DM1: D30.2(D-) P15.2(D0-) U17.10(USB_DM_DN2)
USB_DM2: D33.2(D-) P15.11(D1-) U17.18(USB_DM_DN3)
USB_DM3: D32.2(D-) P6.2(D-) U17.25(USB_DM_DN4)
USB_DP0: D27.2(D-) P13.3(D+) U17.1(USB_DP_DN1)
USB_DP1: D30.1(D+) P15.3(D0+) U17.9(USB_DP_DN2)
USB_DP2: D33.1(D+) P15.12(D1+) U17.17(USB_DP_DN3)
USB_DP3: D32.1(D+) P6.3(D+) U17.24(USB_DP_DN4)
USB_R1: R206.2 U17.64(USB_R1)
USB_RXM0: D25.2(D-) P13.5(RX-) U17.7(USB_SSRXM_DN1)
USB_RXM1: D28.2(D-) P15.5(RX0-) U17.15(USB_SSRXM_DN2)
USB_RXM2: D38.2(D-) P15.14(RX1-) U17.23(USB_SSRXM_DN3)
USB_RXP0: D25.1(D+) P13.6(RX+) U17.6(USB_SSRXP_DN1)
USB_RXP1: D28.1(D+) P15.6(RX0+) U17.14(USB_SSRXP_DN2)
USB_RXP2: D38.1(D+) P15.15(RX1+) U17.22(USB_SSRXP_DN3)
USB_SNS: R292.2 R296.2 U28.5(VSNS)
USB_SSRXM0: C244.2 U17.59(USB_SSRXM_UP)
USB_SSRXP0: C239.2 U17.58(USB_SSRXP_UP)
USB_SSTXM0: C242.2 U17.56(USB_SSTXM_UP)
USB_SSTXP0: C241.2 U17.55(USB_SSTXP_UP)
USB_TXM0: C446.1 U17.4(USB_SSTXM_DN1)
USB_TXM1: C448.1 U17.12(USB_SSTXM_DN2)
USB_TXM2: C450.1 U17.20(USB_SSTXM_DN3)
USB_TXP0: C447.1 U17.3(USB_SSTXP_DN1)
USB_TXP1: C449.1 U17.11(USB_SSTXP_DN2)
USB_TXP2: C451.1 U17.19(USB_SSTXP_DN3)
USBSP_DM: D40.2(D-) P7.2(D-) R211.2
USBSP_DP: D40.1(D+) P7.3(D+) R210.2
USR0: Q3.2(5) R219.1 U11.F16(GPIO7_8)
USR1: Q3.5 R220.1 U11.B25(GPIO7_9)
USR2: Q4.2(5) R221.1 U11.A26(GPIO7_14)
USR3: Q4.5 R222.1 U11.B22(GPIO7_15)
VBG: C16.2 U5.B7(VBG)
VDAC_3V3: C247.1 C252.1 C260.1 L12.3 L13.1 L14.1 L15.1 U19.1(IN)
VOUT1_CLK: P18.57 R149.2
VOUT1_D0: P18.25 R124.2
VOUT1_D1: P18.55 R125.2
VOUT1_D2: P18.54 R126.2
VOUT1_D3: P18.26 R127.2
VOUT1_D4: P18.48 R128.2
VOUT1_D5: P18.49 R129.2
VOUT1_D6: P18.45 R130.2
VOUT1_D7: P18.46 R131.2
VOUT1_D8: P18.47 R132.2
VOUT1_D9: P18.56 R133.2
VOUT1_D10: P18.16 R134.2
VOUT1_D11: P18.18 R135.2
VOUT1_D12: P18.20 R136.2
VOUT1_D13: P18.15 R138.2
VOUT1_D14: P18.17 R139.2
VOUT1_D15: P18.14 R140.2
VOUT1_D16: P18.50 R141.2
VOUT1_D17: P18.51 R142.2
VOUT1_D18: P18.21 R143.2
VOUT1_D19: P18.22 R144.2
VOUT1_D20: P18.19 R145.2
VOUT1_D21: P18.23 R146.2
VOUT1_D22: P18.52 R147.2
VOUT1_D23: P18.24 R148.2
VOUT1_DE: P18.53 R150.2
VOUT1_HSYNC: P18.27 R152.2
VOUT1_RD0: R124.1 U11.F11(VOUT1_D0)
VOUT1_RD1: R125.1 U11.G10(VOUT1_D1)
VOUT1_RD2: R126.1 U11.F10(VOUT1_D2)
VOUT1_RD3: R127.1 U11.G11(VOUT1_D3)
VOUT1_RD4: R128.1 U11.E9(VOUT1_D4)
VOUT1_RD5: R129.1 U11.F9(VOUT1_D5)
VOUT1_RD6: R130.1 U11.F8(VOUT1_D6)
VOUT1_RD7: R131.1 U11.E7(VOUT1_D7)
VOUT1_RD8: R132.1 U11.E8(VOUT1_D8)
VOUT1_RD9: R133.1 U11.D9(VOUT1_D9)
VOUT1_RD10: R134.1 U11.D7(VOUT1_D10)
VOUT1_RD11: R135.1 U11.D8(VOUT1_D11)
